# Altium PCB dcb_v2.PcbDoc (part 2 of 2)
Units mm, origin at the board's own origin, x right, y up, seen from the top; angles counter-clockwise.
Board outline 175 x 60 mm, 4 copper layers (Top Layer, Int1 (GND), Int2 (PWR), Bottom Layer), stack 1.369 mm thick; 165 components, 98 nets, 603 pads, 478 vias.
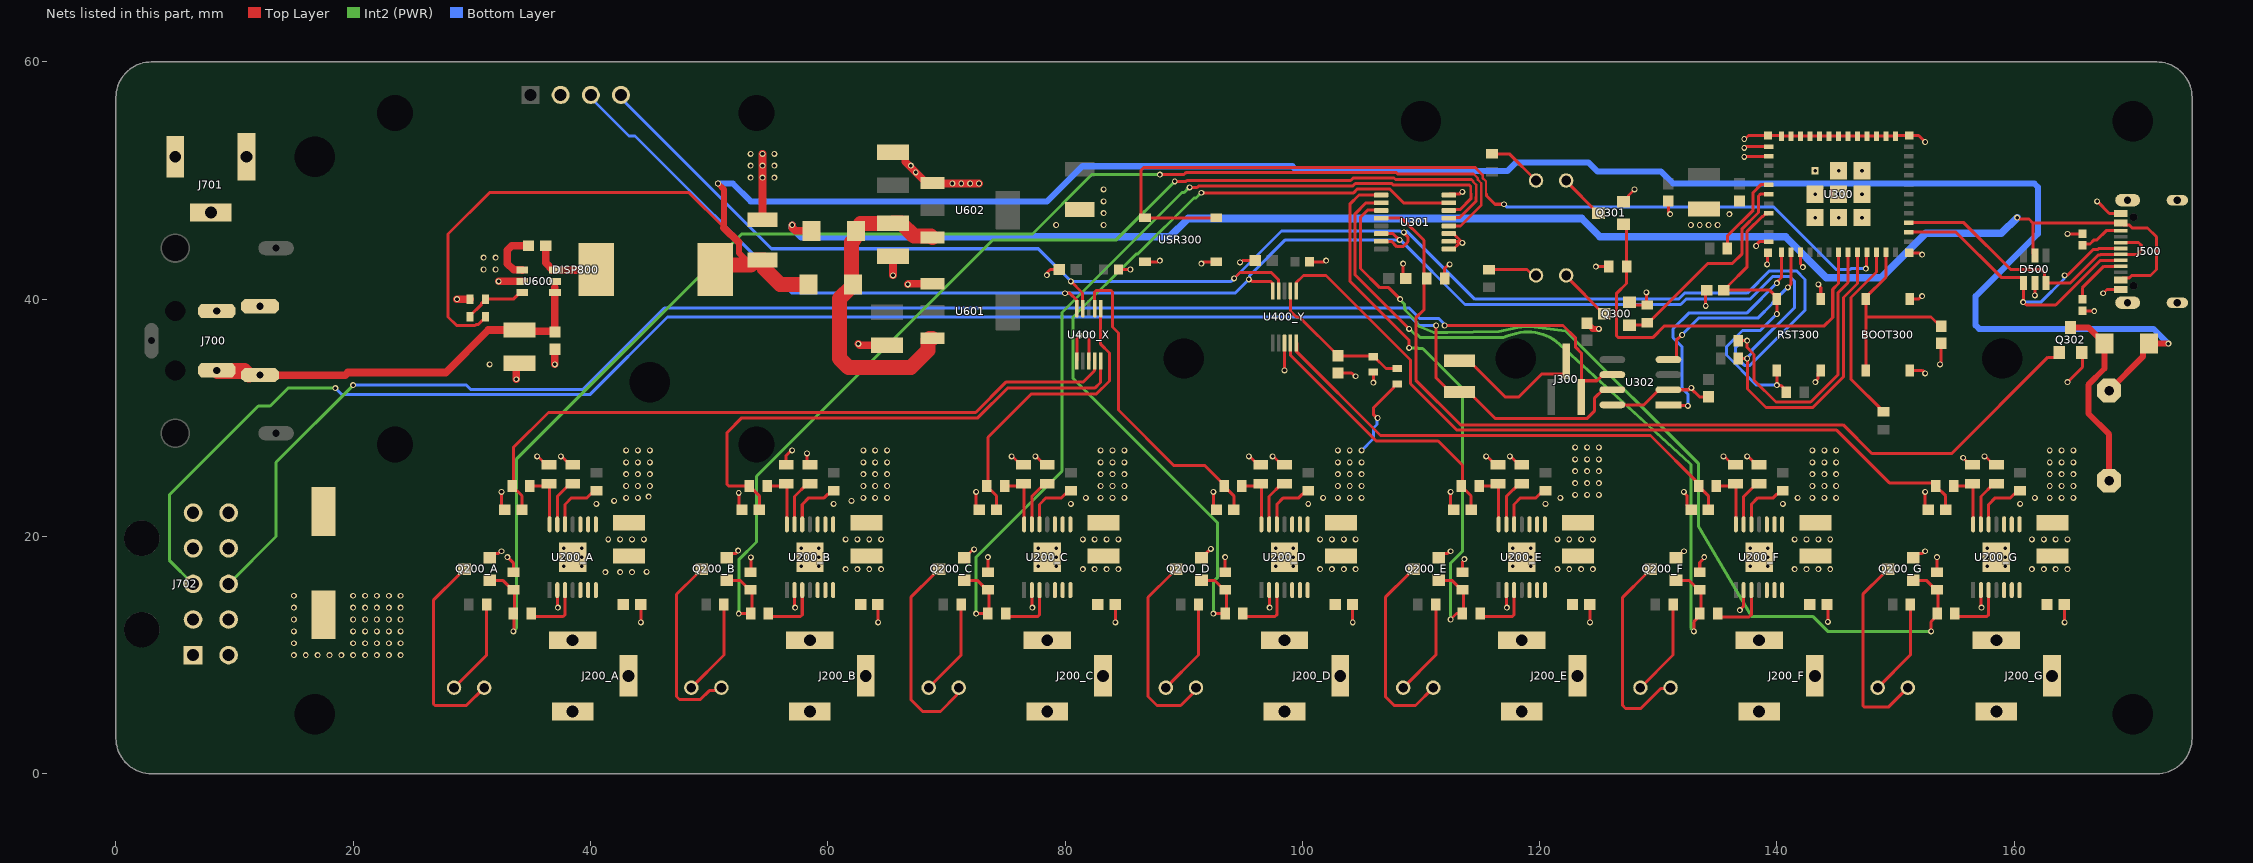
[diagram p4: the nets of this part, all layers, seen from the top]

## Via types
v1: diameter 0.5, hole 0.3, Top Layer to Bottom Layer, 478 vias

## Nets (pads, with @x,y where several pads share a name; then routed paths per layer and width w, separated by ;. In a path a pad name is that pad's centre, name@x,y a point inside that pad or via, vN(x,y) a via of type N, cw(c..) or ccw(c..) an arc to the next point about the centre after c; other vN are vias at no path point) (continued)
12V: C604.1 D300.K D601.A L600.2 R600.2 SP300.+ | length 206.2
  Top Layer w0.254: R600.2@31.15,38.5 31.15,38.486 30.51,37.846 30.358,37.846 30.285,37.773 28.727,37.773 28,38.5 28,45.5 31.5,49 48.289,49 51.25,46.039
  Top Layer w0.508: v1(50.75,49.75) 51.25,49.25 51.25,46.039 ; 52.5,44.789 52.5,43.896 C604.1@53.508,42.888 ; SP300.+@168,32.3 170.872,35.172 170.872,35.742 D300.K@171.38,36.25 v1(173,36.25)
  Top Layer w0.635: 51.25,46.039 52.5,44.789
  Top Layer w1.27: L600.2@50.5,42.5 50.888,42.888 53.508,42.888 53.92,43.3 C604.1@54.605,43.3 ; C604.1@54.615,43.29 54.615,42.605 55.97,41.25 D601.A@58.37,41.25
  Bottom Layer w0.508: v1(50.75,49.75) 52,49.75 53.5,48.25 78.5,48.25 81.454,51.204 99.169,51.204 99.577,50.796 117.292,50.796 117.996,51.5 124.14,51.5 124.89,50.75 130.25,50.75 131.25,49.75 161.702,49.75 162,49.452 162,45.5 156.75,40.25 156.75,37.798 157.048,37.5 171.75,37.5 v1(173,36.25)
BUZZ: Q302.1 R309.2 U301.12 | length 76.9
  Top Layer w0.254: U301.12@106.65,46.825 108.388,46.825 110.25,44.963 110.25,42.25 R309.2@110.625,41.875 ; R309.2@110.5,41.75 110.25,41.5 110.25,39.102 109.573,38.425 109.573,33.177 113.342,29.408 145.592,29.408 148,27 154.75,27 162.844,35.094 163.444,35.094 163.75,35.399 Q302.1@163.75,35.5
CAN_D: U300.12 U302.1 | length 21.8
  Top Layer w0.254: U302.1@130.864,31.095 130.912,31.047 132.453,31.047 v1(132.5,31) ; v1(140,41.354) 140,41.421 140.4,41.821 U300.12@140.4,43.95
  Bottom Layer w0.254: v1(132.5,31) 132.5,32.009 132.225,32.284 132.225,32.313 132,32.537 132,36 131.25,36.75 131.25,37.5 132.604,38.854 137.5,38.854 v1(140,41.354)
CAN_R: U300.13 U302.4 | length 16.6
  Top Layer w0.254: U302.4@130.864,34.905 131.379,34.905 131.53,35.057 131.53,36.53 131.98,36.98 v1(132.02,36.98) ; v1(140.927,41) 140.933,41 141.2,41.267 U300.13@141.2,43.95
  Bottom Layer w0.254: v1(132.02,36.98) 132.02,37.02 133.4,38.4 138.4,38.4 139.64,39.64 139.64,39.713 v1(140.927,41)
CANH: J702.3 R308.2 U302.7 | length 144.6
  Top Layer w0.254: v1(111.28,37.781) 111.28,37.053 111.25,37.023 111.25,33.4 112.475,32.175 R308.2@113.25,32.175 114.025,32.175 116.277,29.923 123.98,29.923 124.615,30.558 124.615,31.637 125.343,32.365 U302.7@126.136,32.365 ; R308.2@113.364,31.925 R308.2@113.525,31.925
  Int2 (PWR) w0.254: J702.3@6.5,16 4.5,18 4.5,23.5 12,31 13,31 14.5,32.5 v1(18.5,32.5)
  Bottom Layer w0.254: v1(18.5,32.5) 19.054,31.946 39.946,31.946 46.5,38.5 109.129,38.5 109.848,37.781 v1(111.28,37.781)
CANL: J300.3 J702.8 U302.6 | length 136.3
  Top Layer w0.254: v1(112,37.781) 121.969,37.781 123.04,36.71 123.04,35.939 123.52,35.459 J300.3@123.52,32.925 ; J300.3@123.52,31.75 J300.3@123.52,32.925 ; U302.6@126.136,33.635 125.343,33.635 124.831,33.123 123.718,33.123 J300.3@123.52,32.925
  Int2 (PWR) w0.254: J702.8@9.5,16 13.5,20 13.5,26.25 v1(20,32.75)
  Bottom Layer w0.254: v1(20,32.75) 29.545,32.75 29.894,32.4 39.372,32.4 46.222,39.25 109.021,39.25 109.913,38.358 111.519,38.358 111.857,38.02 111.857,37.99 112,37.848 v1(112,37.781)
EN: C304.1 R310.1 RST300.3 RST300.4 U300.8 | length 28.1
  Top Layer w0.254: C304.1@135.533,40.758 C304.1@135.556,40.758 ; U300.8@139.3,47.25 139.227,47.177 139.027,47.177 138.827,46.977 138.761,46.977 137.5,45.716 137.5,42.725 135.885,41.11 135.885,41.087 C304.1@135.556,40.758 ; RST300.4@140,34 v1(140,32.75) 140.047,32.703 140.36,32.703 140.81,32.253 R310.1@140.81,32.153 ; v1(140,38.75) RST300.3@140,40 140,40.15 139.392,40.758 C304.1@135.556,40.758
  Bottom Layer w0.254: v1(140,32.75) 138.292,32.75 135.75,35.292 135.75,36 137.101,37.351 138.601,37.351 v1(140,38.75)
GND: BOOT300.1 BOOT300.2 C100.2 C200_A.1 C200_B.1 C200_C.1 C200_D.1 C200_E.1 C200_F.1 C200_G.1 C201_A.2 C201_B.2 C201_C.2 C201_D.2 C201_E.2 C201_F.2 C201_G.2 C202_A.2 C202_B.2 C202_C.2 C202_D.2 C202_E.2 C202_F.2 C202_G.2 C300.2 C301.1 C302.2 C303.2 C304.2 C305.2 C306.2 C307.2 C400_X.2 C400_Y.2 C401_X.2 C401_Y.2 C600.1 C602.1 C603.1 C604.2 C605.1 C606.1 C607.2 C700.1 D500.2 DISP800.2 J200_A.2 J200_A.3 J200_B.2 J200_B.3 J200_C.2 J200_C.3 J200_D.2 J200_D.3 J200_E.2 J200_E.3 J200_F.2 J200_F.3 J200_G.2 J200_G.3 J500.A1_B12 J500.B1_A12 J500.SH1 J500.SH2 J500.SH3 J500.SH4 J700.1 J700.3 J701.2 J701.3 J702.1 J702.2 J702.4 J702.5 Q200_A.2 Q200_B.2 Q200_C.2 Q200_D.2 Q200_E.2 Q200_F.2 Q200_G.2 Q300.2 Q301.2 Q302.2 R101.1 R200_A.2 R200_B.2 R200_C.2 R200_D.2 R200_E.2 R200_F.2 R200_G.2 R203_A.1 R203_B.1 R203_C.1 R203_D.1 R203_E.1 R203_F.1 R203_G.1 R204_A.1 R204_B.1 R204_C.1 R204_D.1 R204_E.1 R204_F.1 R204_G.1 R306.1 R307.1 R309.1 R500.1 R501.1 R601.1 RST300.1 RST300.2 U200_A.2 U200_A.15 U200_B.2 U200_B.15 U200_C.2 U200_C.15 U200_D.2 U200_D.15 U200_E.2 U200_E.15 U200_F.2 U200_F.15 U200_G.2 U200_G.15 U300.1 U300.2 U300.11 U300.14 U300.36 U300.37 U300.38 U300.39 U300.40 U300.41 U300.42 U300.43 U300.44 U300.45 U300.46 U300.47 U300.48 U300.49_1 U300.49_2 U300.49_3 U300.49_4 U300.49_5 U300.49_6 U300.49_7 U300.49_8 U300.49_9 U300.50 U300.51 U300.52 U300.53 U301.1 U301.2 U301.3 U301.8 U302.2 U302.8 U400_X.1 U400_X.3 U400_Y.3 U600.2 U601.1 U602.1 USR300.3 USR300.4 | length 178.4
  Top Layer w0.254: Q200_A.2@31.5,18.215 31.856,18.571 32.254,18.571 32.433,18.75 v1(32.5,18.75) ; v1(32.5,23.75) 32.5,22.523 C202_A.2@32.773,22.25 ; v1(32.996,18.25) 33.031,18.25 33.5,17.781 R200_A.2@33.5,17 ; v1(35.5,26.75) 35.547,26.703 35.622,26.703 36.275,26.05 R204_A.1@36.5,26.05 ; U200_A.2@37.2,15.475 37.217,15.458 37.217,14.033 v1(37.25,14) ; v1(37.5,26.75) 37.547,26.703 37.622,26.703 38.275,26.05 R203_A.1@38.5,26.05 ; C201_A.2@44.227,14.25 44.25,14.227 v1(44.25,12.75) ; Q200_B.2@51.5,18.215 51.856,18.571 52.254,18.571 52.448,18.765 v1(52.448,18.802) ; v1(52.5,23.673) 52.5,22.523 C202_B.2@52.773,22.25 ; R200_B.2@53.5,17 53.514,17.014 v1(53.514,18.236) ; R204_B.1@56.5,26.05 56.5,26.831 56.872,27.203 56.953,27.203 v1(57,27.25) ; U200_B.2@57.2,15.475 57.217,15.458 57.217,14.033 v1(57.25,14) ; v1(58.25,27) 58.25,26.3 R203_B.1@58.5,26.05 ; C201_B.2@64.227,14.25 64.25,14.227 v1(64.25,12.75) ; Q200_C.2@71.5,18.215 71.551,18.215 72.197,18.861 72.295,18.861 v1(72.342,18.908) ; v1(72.5,23.75) 72.5,22.523 C202_C.2@72.773,22.25 ; R200_C.2@73.5,17 v1(73.5,18.25) ; v1(75.5,26.75) 75.547,26.703 75.622,26.703 76.275,26.05 R204_C.1@76.5,26.05 ; U200_C.2@77.2,15.475 77.217,15.458 77.217,14.033 v1(77.25,14) ; v1(77.5,26.75) 77.547,26.703 77.622,26.703 78.275,26.05 R203_C.1@78.5,26.05 ; v1(78.466,42.034) 78.513,42.081 78.513,42.255 78.757,42.5 C401_X.2@79.5,42.5 ; U400_X.1@81,34.849 81,36.679 v1(81.254,36.933) ; U400_X.3@82,34.849 v1(82,37) ; C201_C.2@84.227,14.25 84.25,14.227 v1(84.25,12.75) ; C400_X.2@84.5,42.5 v1(85.504,42.5) ; USR300.3@86.75,43.15 87.833,43.15 87.933,43.25 v1(88,43.25) ; Q200_D.2@91.5,18.215 91.551,18.215 v1(92.287,18.952) ; v1(91.5,43) 91.567,43 91.717,43.15 USR300.4@92.75,43.15 ; v1(92.5,23.75) 92.5,22.523 C202_D.2@92.773,22.25 ; R200_D.2@93.5,17 v1(93.5,18.25) ; v1(94.75,43.099) 94.817,43.099 94.967,43.25 C401_Y.2@96.023,43.25 ; v1(95.5,26.75) 95.547,26.703 95.622,26.703 96.275,26.05 R204_D.1@96.5,26.05 ; U200_D.2@97.2,15.475 97.217,15.458 97.217,14.033 v1(97.25,14) ; v1(97.5,26.75) 97.547,26.703 97.622,26.703 98.275,26.05 R203_D.1@98.5,26.05 ; v1(98.5,34) U400_Y.3@98.5,36.349 ; C400_Y.2@100.627,43.151 101.83,43.151 101.933,43.254 v1(102,43.254) ; C100.2@103,33.773 104.16,33.773 104.433,33.5 v1(104.5,33.5) ; C201_D.2@104.227,14.25 104.25,14.227 v1(104.25,12.75) ; v1(105.995,32.967) 105.995,33.845 R101.1@106,33.85 ; v1(108.5,43) 108.5,41.977 C302.2@108.727,41.75 ; C302.2@108.75,41.75 C302.2@108.727,41.75 ; C302.2@108.975,41.998 C302.2@108.727,41.75 ; Q200_E.2@111.5,18.215 111.856,18.571 112.254,18.571 112.433,18.75 v1(112.5,18.75) ; R309.1@112,41.75 112,42.601 112.149,42.75 112.183,42.75 112.358,42.925 v1(112.425,42.925) ; U301.1@112.35,44.225 112.75,44.225 113.228,44.703 113.453,44.703 v1(113.5,44.75) 113.5,44.775 112.75,45.525 U301.3@112.35,45.525 ; U301.2@112.35,44.875 v1@113.308,44.875 ; U301.8@112.35,48.775 112.423,48.848 113.231,48.848 113.433,49.05 v1(113.5,49.05) ; v1(112.5,23.75) 112.5,22.523 C202_E.2@112.773,22.25 ; R200_E.2@113.5,17 113.5,17.867 113.658,18.025 v1(113.658,18.092) ; v1(115.5,26.75) 115.547,26.703 115.622,26.703 116.275,26.05 R204_E.1@116.5,26.05 ; U200_E.2@117.2,15.475 117.217,15.458 117.217,14.033 v1(117.25,14) ; v1(117.5,26.75) 117.547,26.703 117.622,26.703 118.275,26.05 R203_E.1@118.5,26.05 ; C201_E.2@124.227,14.25 124.25,14.227 v1(124.25,12.75) ; v1(124.75,42.746) 125.817,42.746 R307.1@125.829,42.758 ; U302.8@126.136,31.095 128.8,31.095 130.07,32.365 U302.2@130.864,32.365 132.577,32.365 132.735,32.523 v1(132.802,32.523) ; Q301.2@127.079,48.223 127.13,48.223 127.486,48.579 127.486,48.736 v1(128,49.25) ; Q300.2@127.579,39.723 127.795,39.508 R306.1@129.079,39.508 129,39.587 v1(129,40.573) ; C300.2@130.85,48.273 130.85,47.39 131,47.24 v1(131,47.173) ; Q200_F.2@131.5,18.215 131.551,18.215 132.038,18.703 132.125,18.703 v1(132.172,18.75) ; v1(132.169,23.75) 132.169,23.683 132.421,23.431 132.421,22.579 132.75,22.25 C202_F.2@132.773,22.25 ; v1@132.75,32.5 133.477,31.773 C307.2@134.25,31.773 ; R200_F.2@133.5,17 133.5,17.802 133.881,18.183 v1(133.881,18.25) ; v1(134.006,39.431) 134.006,40.684 C304.2@134.079,40.758 ; v1(135.5,26.75) 135.547,26.703 135.622,26.703 136.275,26.05 R204_F.1@136.5,26.05 ; C305.2@136.85,48.25 C305.2@136.85,48.273 ; v1(136.886,13.785) 136.886,13.826 137.2,14.14 U200_F.2@137.2,15.475 ; v1(137.25,52) 137.275,52.025 139.275,52.025 U300.2@139.3,52.05 ; v1(137.25,52.75) 137.297,52.797 137.372,52.797 137.425,52.85 U300.1@139.3,52.85 ; v1(137.25,53.5) 137.317,53.5 137.617,53.8 U300.53@139.25,53.8 140.35,53.8 U300.48@140.4,53.75 U300.47@141.2,53.75 U300.46@142,53.75 U300.45@142.8,53.75 U300.44@143.6,53.75 U300.43@144.4,53.75 U300.42@145.2,53.75 U300.41@146,53.75 U300.40@146.8,53.75 U300.39@147.6,53.75 U300.38@148.4,53.75 U300.37@149.2,53.75 U300.36@150,53.75 150.05,53.8 U300.50@151.15,53.8 151.95,53.8 v1(152.5,53.25) ; v1(137.5,26.75) 137.547,26.703 137.622,26.703 138.275,26.05 R203_F.1@138.5,26.05 ; v1(138.254,44.483) 138.301,44.53 138.301,44.632 138.519,44.85 U300.11@139.3,44.85 ; v1(139.183,42.925) 139.216,42.959 139.216,43.866 U300.52@139.25,43.9 ; U300.14@142,43.95 142,42.959 142.198,42.761 v1(142.198,42.694) ; v1(143.25,33) 143.25,33.067 143.477,33.294 143.477,33.777 RST300.2@143.7,34 ; v1(143.5,41.25) 143.5,41.183 143.7,40.983 RST300.1@143.7,40 ; C201_F.2@144.227,14.25 144.302,14.175 v1(144.302,12.802) ; U300.51@151.15,43.9 152.033,43.9 152.183,43.75 v1(152.25,43.75) ; BOOT300.2@151.2,34 152.25,34 v1(152.5,33.75) ; BOOT300.1@151.2,40 151.933,40 152.183,40.25 v1(152.25,40.25) ; Q200_G.2@151.5,18.215 151.856,18.571 152.254,18.571 152.433,18.75 v1(152.5,18.75) ; v1(152.5,23.75) 152.5,22.523 C202_G.2@152.773,22.25 ; R200_G.2@153.5,17 v1(153.5,18.25) ; v1(153.75,34.5) 153.75,34.567 153.85,34.667 C303.2@153.85,36.273 ; v1(155.694,26.631) 156.275,26.05 R204_G.1@156.5,26.05 ; U200_G.2@157.2,15.475 157.217,15.458 157.217,14.033 v1(157.25,14) ; v1(157.5,26.75) 157.547,26.703 157.622,26.703 158.275,26.05 R203_G.1@158.5,26.05 ; v1(161.75,40.327) D500.2@161.75,41.371 ; C201_G.2@164.227,14.25 164.25,14.227 v1(164.25,12.75) ; v1(164.5,33) 165.767,34.267 165.767,34.477 165.75,34.494 Q302.2@165.75,35.25 ; v1(164.5,45.496) 164.502,45.498 165.748,45.498 R501.1@165.75,45.5 ; R500.1@165.75,39.043 165.771,39.021 166.729,39.021 v1(166.75,39) ; v1(167,48.25) 168.029,47.221 J500.B1_A12@169,47.221 ; v1(167.5,40.5) 167.821,40.821 J500.A1_B12@169,40.821
  Top Layer w0.508: C306.2@124,37.977 124,37.954 124.202,37.752 124.225,37.752 124.477,37.5 v1(125,37.5)
  Top Layer w0.635: v1(28.75,40) R601.1@29.85,40 ; v1(32.25,41.5) U600.2@34.25,41.5 ; v1(33.75,33.25) 33.75,34.35 C602.1@34,34.6 ; v1(37,34.5) C600.1@37,35.773 ; C604.2@54.5,46.7 v1(54.5,52.25) ; v1(62.579,36.238) 62.717,36.1 C603.1@65,36.1 ; v1(65.5,42) C606.1@65.5,43.6 ; C605.1@65.5,52.4 66.2,52.4 66.533,52.067 66.533,51.567 68.3,49.8 U602.1@68.825,49.8 68.875,49.75 v1(71.25,49.75) v1(72.75,49.75) ; v1(66.75,41.25) 66.8,41.3 U601.1@68.825,41.3
  other v1: 41.25,17 42.5,17 43.5,17 44.731,17.019 61.5,17.25 62.5,17.25 63.5,17.25 64.5,17.25 81.5,17.25 82.5,17.25 83.5,17.25 84.5,17.25 101.5,17.25 102.5,17.25 103.5,17.25 104.5,17.25 121.5,17.25 122.5,17.25 123.5,17.25 124.5,17.25 141.5,17.25 142.5,17.25 143.5,17.25 144.5,17.25 161.5,17.25 162.5,17.25 163.5,17.25 164.5,17.25 37.75,17.5 39.25,17.5 57.75,17.5 59.25,17.5 77.75,17.5 79.25,17.5 97.75,17.5 99.25,17.5 117.75,17.5 119.25,17.5 137.75,17.5 139.25,17.5 157.75,17.5 159.25,17.5 37.75,18.25 38.5,18.25 39.25,18.25 57.75,18.25 58.5,18.25 59.25,18.25 77.75,18.25 78.5,18.25 79.25,18.25 97.75,18.25 98.5,18.25 99.25,18.25 117.75,18.25 118.5,18.25 119.25,18.25 137.75,18.25 138.5,18.25 139.25,18.25 157.75,18.25 158.5,18.25 159.25,18.25 37.75,19 39.25,19 57.75,19 59.25,19 77.75,19 79.25,19 97.75,19 99.25,19 117.75,19 119.25,19 137.75,19 139.25,19 157.75,19 159.25,19 41.5,19.75 42.5,19.75 43.5,19.75 44.5,19.75 61.5,19.75 62.5,19.75 63.5,19.75 64.5,19.75 81.5,19.75 82.5,19.75 83.5,19.75 84.5,19.75 101.5,19.75 102.5,19.75 103.5,19.75 104.5,19.75 121.5,19.75 122.5,19.75 123.5,19.75 124.5,19.75 141.5,19.75 142.5,19.75 143.5,19.75 144.5,19.75 161.5,19.75 162.5,19.75 163.5,19.75 164.5,19.75 31.5,34.5 31,42.5 32,42.5 31,43.5 32,43.5 79.25,46.25 83.25,46.25 132.75,46.25 133.5,46.25 134.25,46.25 135,46.25 143.225,46.875 145.2,46.875 147.175,46.875 136,47.173 83.25,47.25 83.25,48.25 143.225,48.85 145.2,48.85 147.175,48.85 83.25,49.25 70.5,49.75 72,49.75 53.5,50.25 54.5,50.25 55.5,50.25 67.416,50.684 143.225,50.825 145.2,50.825 147.175,50.825 53.5,51.25 54.5,51.25 55.5,51.25 67,51.25 53.5,52.25 55.5,52.25
IO2: R303.1 U300.5 | length 7.2
  Top Layer w0.254: R303.1@135.829,44.258 135.829,45.329 138,47.5 138,49 138.65,49.65 U300.5@139.3,49.65
LED1: Q300.1 R306.2 U300.6 | length 18.3
  Top Layer w0.254: Q300.1@127.579,37.808 128.879,37.808 R306.2@129.079,38.008 129.179,38.008 134.171,43 136.25,43 137.046,43.796 137.046,45.904 138.454,47.312 138.454,48.701 138.603,48.85 U300.6@139.3,48.85
LED2: Q301.1 R307.2 U300.18 | length 34.5
  Top Layer w0.254: Q301.1@127.079,46.308 127.329,46.058 R307.2@127.329,42.758 127.329,41.329 126.5,40.5 126.5,36.899 126.649,36.75 129.537,36.75 130.537,37.75 144,37.75 144.711,38.461 144.711,40.824 145.2,41.313 U300.18@145.2,43.95
NetBOOT300_3: BOOT300.3 BOOT300.4 C303.1 U300.23 | length 17.4
  Top Layer w0.254: BOOT300.4@147.5,34 147.5,38.5 ; U300.23@149.2,43.95 149.2,41.85 147.5,40.15 BOOT300.3@147.5,40 147.5,38.5 ; C303.1@153.85,37.727 153.85,37.65 153,38.5 147.5,38.5
NetC202_A_1: C202_A.1 R205_A.2 U400_X.4 | length 58.1
  Top Layer w0.254: C202_A.1@34.227,22.25 34.227,23.423 33.5,24.15 33.5,24.25 33.5,27.5 36.454,30.454 72.465,30.454 75.011,33 81.511,33 82.482,33.971 U400_X.4@82.482,34.831
NetC202_B_1: C202_B.1 R205_B.2 U400_X.5 | length 43.7
  Top Layer w0.254: R205_B.2@53.4,24.25 51.649,24.25 51.5,24.399 51.5,28.75 52.75,30 72.653,30 75.153,32.5 82.5,32.5 82.982,32.982 82.982,34.831 U400_X.5@83,34.849 ; R205_B.2@53.5,24.25 53.5,24.15 54.227,23.423 C202_B.1@54.227,22.25
NetC202_C_1: C202_C.1 R205_C.2 U400_X.6 | length 25
  Top Layer w0.254: C202_C.1@74.227,22.25 74.227,23.423 73.5,24.15 73.5,24.25 73.5,28.351 77.149,32 82.642,32 83.75,33.108 83.75,35.459 83,36.209 U400_X.6@83,39.151
NetC202_D_1: C202_D.1 R205_D.2 U400_X.7 | length 27.1
  Top Layer w0.254: U400_X.7@82.5,39.151 82.5,40.601 82.649,40.75 83.851,40.75 84,40.601 84,37.651 84.5,37.151 84.5,30.651 89.151,26 91.75,26 R205_D.2@93.5,24.25 ; R205_D.2@93.5,24.15 94.227,23.423 C202_D.1@94.227,22.25
NetC202_E_1: C202_E.1 R205_E.2 U400_Y.4 | length 23.5
  Top Layer w0.254: U400_Y.4@99,36.349 99.023,36.326 99.023,35.611 99.023,35.245 106.222,28.046 111.454,28.046 113.5,26 113.5,24.25 113.5,24.15 114.227,23.423 C202_E.1@114.227,22.25
NetC202_F_1: C202_F.1 R205_F.2 U400_Y.5 | length 41.8
  Top Layer w0.254: U400_Y.5@99.5,36.349 99.531,36.318 99.531,35.565 106.596,28.5 129.35,28.5 133.5,24.35 133.5,24.15 134.227,23.423 C202_F.1@134.227,22.25
NetC202_G_1: C202_G.1 R205_G.2 U400_Y.6 | length 65.9
  Top Layer w0.254: U400_Y.6@99.5,40.651 99.5,41.404 100.096,42 102,42 109.119,34.881 109.119,32.881 113.046,28.954 145.046,28.954 149.477,24.523 153.327,24.523 153.5,24.35 153.5,24.25 153.5,24.15 154.227,23.423 C202_G.1@154.227,22.25
NetC601_1: C601.1 U600.1 | length 4.5
  Top Layer w0.635: U600.1@34.25,42.45 34.233,42.467 33.532,42.467 33,43 33,44.128 33.372,44.5 C601.1@34.773,44.5
NetC601_2: C601.2 L600.1 U600.6 | length 6
  Top Layer w0.635: C601.2@36.227,44.5 36.227,43.058 36.835,42.45 U600.6@37,42.45 40.45,42.45 L600.1@40.5,42.5
NetC606_2: C606.2 D600.K D601.K U601.3 U602.3 | length 27.6
  Top Layer w1.27: D600.K@62.38,45.75 62.253,45.623 62.253,45.055 62,44.803 62,42.082 62.003,42.079 62.003,41.047 61,40.044 61,34.994 61.744,34.25 67,34.25 68.435,35.685 68.435,36.565 68.57,36.7 U601.3@68.825,36.7 ; D600.K@62.765,46.385 65.485,46.385 C606.2@65.5,46.4 66.2,46.4 67.265,45.335 68.69,45.335 U602.3@68.825,45.2
NetD300_A: D300.A Q302.3 SP300.- | length 16.3
  Top Layer w0.508: Q302.3@164.75,37.618 166.253,37.618 D300.A@167.62,36.25 167.62,34.155 166.25,32.784 166.25,30.359 168,28.609 SP300.-@168,24.7
NetJ300_2: J300.2 R308.1 | length 12
  Top Layer w0.254: R308.1@113.25,34.825 114.025,34.825 117.1,31.75 118.25,31.75 120.202,33.702 122.052,33.702 122.25,33.9 J300.2@122.25,34.75
NetJ500_A5: J500.A5 R500.2 | length 5
  Top Layer w0.254: R500.2@165.75,40 165.75,40.961 167.56,42.771 J500.A5@169,42.771
NetJ500_B5: J500.B5 R501.2 | length 3.8
  Top Layer w0.254: R501.2@165.75,44.543 165.86,44.652 166.402,44.652 166.75,45 166.986,45 167.757,45.771 J500.B5@169,45.771
NetLED200_A_A: LED200_A.A R206_A.1 | length 8.1
  Top Layer w0.254: LED200_A.A@28.5,7.25 31.25,10 R206_A.1@31.25,14.25
NetLED200_A_C: LED200_A.C Q200_A.3 | length 17.4
  Top Layer w0.254: Q200_A.3@29.382,17.25 29.332,17.25 28.976,16.894 28.976,16.844 26.75,14.618 26.75,5.899 26.899,5.75 29.54,5.75 LED200_A.C@31.04,7.25
NetLED200_B_A: LED200_B.A R206_B.1 | length 8.1
  Top Layer w0.254: LED200_B.A@48.5,7.25 51.25,10 R206_B.1@51.25,14.25
NetLED200_B_C: LED200_B.C Q200_B.3 | length 15.7
  Top Layer w0.254: Q200_B.3@49.382,17.25 49.332,17.25 48.976,16.894 48.976,16.844 47.25,15.118 47.25,6.5 47.5,6.25 49.264,6.25 50.014,7 50.409,7 50.474,7.065 50.725,7.065 LED200_B.C@50.79,7
NetLED200_C_A: LED200_C.A R206_C.1 | length 7.8
  Top Layer w0.254: LED200_C.A@68.75,7.5 71.25,10 R206_C.1@71.25,14.25
NetLED200_C_C: LED200_C.C Q200_C.3 | length 17.3
  Top Layer w0.254: Q200_C.3@69.382,17.25 69.332,17.25 68.976,16.894 68.976,16.844 67,14.868 67,6.25 68,5.25 69.5,5.25 70.855,6.605 LED200_C.C@70.855,7.065
NetLED200_D_A: LED200_D.A R206_D.1 | length 8.1
  Top Layer w0.254: LED200_D.A@88.5,7.25 91.25,10 R206_D.1@91.25,14.25
NetLED200_D_C: LED200_D.C Q200_D.3 | length 16.9
  Top Layer w0.254: Q200_D.3@89.382,17.25 89.332,17.25 88.976,16.894 88.976,16.844 87,14.868 87,6.5 87.75,5.75 89.75,5.75 91.04,7.04 LED200_D.C@91.04,7.25
NetLED200_E_A: LED200_E.A R206_E.1 | length 8.1
  Top Layer w0.254: LED200_E.A@108.5,7.25 111.25,10 R206_E.1@111.25,14.25
NetLED200_E_C: LED200_E.C Q200_E.3 | length 16.7
  Top Layer w0.254: Q200_E.3@109.382,17.25 109.332,17.25 108.976,16.894 108.976,16.844 107,14.868 107,6.5 107.75,5.75 109.54,5.75 LED200_E.C@111.04,7.25
NetLED200_F_A: LED200_F.A R206_F.1 | length 8.1
  Top Layer w0.254: LED200_F.A@128.5,7.25 131.25,10 R206_F.1@131.25,14.25
NetLED200_F_C: LED200_F.C Q200_F.3 | length 17.4
  Top Layer w0.254: Q200_F.3@129.382,17.25 129.332,17.25 128.976,16.894 128.976,16.844 127,14.868 127,5.75 127.25,5.5 128.536,5.5 130.216,7.181 130.971,7.181 LED200_F.C@131.04,7.25
NetLED200_G_A: LED200_G.A R206_G.1 | length 8.1
  Top Layer w0.254: LED200_G.A@148.5,7.25 151.25,10 R206_G.1@151.25,14.25
NetLED200_G_C: LED200_G.C Q200_G.3 | length 16.9
  Top Layer w0.254: Q200_G.3@149.382,17.25 149.332,17.25 148.976,16.894 148.976,16.844 147.25,15.118 147.25,5.759 147.399,5.61 149.4,5.61 LED200_G.C@151.04,7.25
NetLED300_A: LED300.A R304.1 | length 4.2
  Top Layer w0.254: R304.1@115.75,42.5 118.939,42.5 119.439,42 LED300.A@119.7,42
NetLED300_C: LED300.C Q300.3 | length 4.6
  Top Layer w0.254: LED300.C@122.24,42 122.24,41.929 125.411,38.758 Q300.3@125.462,38.758
NetLED301_A: LED301.A R305.1 | length 4.6
  Top Layer w0.254: R305.1@116,52.25 117.45,52.25 LED301.A@119.7,50
NetLED301_C: LED301.C Q301.3 | length 3.9
  Top Layer w0.254: LED301.C@122.24,50 122.24,49.929 124.911,47.258 Q301.3@124.962,47.258
NetQ200_A_1: Q200_A.1 R200_A.1 R201_A.1 U301.4 | length 117.6
  Top Layer w0.2: 114.449,50.545 114.8,50.194 114.8,50.06 115.085,49.775 115.085,47.929 115.012,47.856
  Top Layer w0.254: Q200_A.1@31.5,16.3 32.6,16.3 33.4,15.5 R200_A.1@33.5,15.5 33.6,15.4 33.6,13.5 33.547,13.447 33.547,12.047 v1(33.5,12) ; v1(88,50.5) 88.004,50.504 90.022,50.504 90.182,50.664 107.92,50.664 108.04,50.545 114.449,50.545 ; U301.4@112.35,46.175 113.331,46.175 115.012,47.856
  Int2 (PWR) w0.254: v1(33.5,12) 33.5,12.022 33.75,12.272 33.75,26.5 52.75,45.5 77.25,45.5 82.25,50.5 v1(88,50.5)
NetQ200_B_1: Q200_B.1 R200_B.1 R201_B.1 U301.5 | length 93.3
  Top Layer w0.2: 114.259,50.091 114.4,49.95 114.4,49.894 114.658,49.636 114.658,48.631
  Top Layer w0.254: Q200_B.1@51.5,16.3 52.6,16.3 53.4,15.5 R200_B.1@53.5,15.5 53.6,15.4 53.6,13.5 v1(52.5,13.5) ; v1(89.25,49.927) 90.188,49.927 90.261,50 104.074,50 104.284,50.21 107.732,50.21 107.852,50.091 114.259,50.091 ; U301.5@112.35,46.825 112.423,46.898 113.29,46.898 114.658,48.266 114.658,48.631
  Int2 (PWR) w0.254: v1(52.5,13.5) 52.5,18.037 54,19.537 54,25.066 73.934,45 84.323,45 v1(89.25,49.927)
NetQ200_C_1: Q200_C.1 R200_C.1 R201_C.1 U301.6 | length 76.2
  Top Layer w0.2: 114.134,49.557 114.172,49.557 114.204,49.525 114.204,48.895
  Top Layer w0.254: Q200_C.1@71.5,16.3 72.6,16.3 73.4,15.5 R200_C.1@73.5,15.5 73.6,15.4 73.6,13.5 v1(72.5,13.5) ; v1(90.5,49.423) 91.138,49.423 91.261,49.546 104.262,49.546 104.472,49.756 107.544,49.756 107.664,49.637 114.054,49.637 114.134,49.557 ; U301.6@112.35,47.475 112.423,47.548 113.298,47.548 114.204,48.454 114.204,48.895
  Int2 (PWR) w0.254: v1(72.5,13.5) 72.5,18.25 79.75,25.5 79.75,38.877 89.862,48.989 90.042,48.989 90.476,49.423 v1(90.5,49.423)
NetQ200_D_1: Q200_D.1 R200_D.1 R201_D.1 U301.7 | length 72.3
  Top Layer w0.254: Q200_D.1@91.5,16.3 92.6,16.3 93.4,15.5 R200_D.1@93.5,15.5 93.6,15.4 93.6,13.5 v1(92.5,13.5) ; v1(91.5,48.969) 104.327,48.969 104.66,49.302 107.356,49.302 108.533,48.125 U301.7@112.35,48.125
  Int2 (PWR) w0.254: v1(91.5,48.969) 91.476,48.969 91.042,48.535 90.862,48.535 86.138,43.811 85.999,43.811 80.677,38.489 80.677,33.323 92.864,21.136 92.864,16.561 92.5,16.196 v1(92.5,13.5)
NetQ200_E_1: Q200_E.1 R200_E.1 R201_E.1 U301.9 | length 48.6
  Top Layer w0.254: U301.9@106.65,48.775 104.775,48.775 104,48 104,41.537 108.996,36.541 v1(108.996,35.896) ; Q200_E.1@111.5,16.3 112.6,16.3 113.4,15.5 R200_E.1@113.5,15.5 113.6,15.4 113.6,13.5 R201_E.1@113.5,13.5 113,13.5 v1(112.5,13)
  Int2 (PWR) w0.254: v1(108.996,35.896) 109.707,35.896 109.754,35.849 110.151,35.849 113.5,32.5 113.5,18.75 112.5,17.75 v1(112.5,13)
NetQ200_F_1: Q200_F.1 R200_F.1 R201_F.1 U301.10 | length 62.8
  Top Layer w0.254: U301.10@106.65,48.125 105.375,48.125 104.454,47.204 104.454,42.042 v1(108.996,37.5) ; Q200_F.1@131.5,16.3 132.6,16.3 133.4,15.5 R200_F.1@133.5,15.5 133.6,15.4 133.6,13.4 133,12.8 v1(133,12)
  Int2 (PWR) w0.254: v1(108.996,37.5) 109.032,37.5 109.46,37.072 109.64,37.072 109.887,36.824 109.961,36.75 116.897,36.75 116.94,36.766 117.284,36.896 cw(c118,35) 117.542,36.975 117.726,37.017 cw(c119.023,33.288) 121.69,36.2 132.67,26.145 132.752,26.062 132.752,12.272 133,12.024 v1(133,12)
NetQ200_G_1: Q200_G.1 R200_G.1 R201_G.1 U301.11 | length 77.9
  Top Layer w0.254: U301.11@106.65,47.475 106.625,47.5 105.5,47.5 104.908,46.908 104.908,42.592 106.533,40.967 107.283,40.967 v1(108.25,40) ; Q200_G.1@151.5,16.3 152.6,16.3 153.4,15.5 R200_G.1@153.5,15.5 153.6,15.4 153.6,13.4 153,12.8 v1(153,12)
  Int2 (PWR) w0.254: v1(108.25,40) 108.25,39.933 108.63,39.554 108.63,39.308 108.659,39.278 108.659,39.091 109.669,38.081 109.669,37.969 109.669,37.864 109.818,37.715 111.041,37.204 112.239,37.204 116.589,37.277 118.124,37.598 cw(c119.023,33.288) 119.561,37.657 122.204,37.335 122.278,37.261 133.377,26.162 133.377,20.871 137.86,13.27 143.017,13.27 144.287,12 v1(153,12)
NetR201_A_2: R201_A.2 U200_A.3 | length 5.2
  Top Layer w0.254: R201_A.2@34.9,13.5 34.9,13.423 35.073,13.25 37.701,13.25 37.85,13.399 U200_A.3@37.85,15.475
NetR201_B_2: R201_B.2 U200_B.3 | length 5.2
  Top Layer w0.254: R201_B.2@54.9,13.5 54.9,13.423 55.073,13.25 57.701,13.25 57.85,13.399 U200_B.3@57.85,15.475
NetR201_C_2: R201_C.2 U200_C.3 | length 5.2
  Top Layer w0.254: R201_C.2@74.9,13.5 74.9,13.423 75.073,13.25 77.701,13.25 77.85,13.399 U200_C.3@77.85,15.475
NetR201_D_2: R201_D.2 U200_D.3 | length 5.2
  Top Layer w0.254: R201_D.2@94.9,13.5 94.9,13.423 95.073,13.25 97.701,13.25 97.85,13.399 U200_D.3@97.85,15.475
NetR201_E_2: R201_E.2 U200_E.3 | length 5.2
  Top Layer w0.254: R201_E.2@114.9,13.5 114.9,13.423 115.073,13.25 117.701,13.25 117.85,13.399 U200_E.3@117.85,15.475
NetR201_F_2: R201_F.2 U200_F.3 | length 5.2
  Top Layer w0.254: R201_F.2@134.9,13.423 135.115,13.208 137.66,13.208 137.85,13.399 U200_F.3@137.85,15.475
NetR201_G_2: R201_G.2 U200_G.3 | length 5.2
  Top Layer w0.254: R201_G.2@154.9,13.5 154.9,13.423 155.073,13.25 157.701,13.25 157.85,13.399 U200_G.3@157.85,15.475
NetR202_A_2: R202_A.2 U200_A.12 | length 4.8
  Top Layer w0.254: U200_A.12@37.85,21.025 37.85,22.701 38.399,23.25 39.7,23.25 40.4,23.95 R202_A.2@40.5,23.95
NetR202_B_2: R202_B.2 U200_B.12 | length 4.8
  Top Layer w0.254: U200_B.12@57.85,21.025 57.85,22.701 58.399,23.25 59.7,23.25 60.4,23.95 R202_B.2@60.5,23.95
NetR202_C_2: R202_C.2 U200_C.12 | length 4.8
  Top Layer w0.254: U200_C.12@77.85,21.025 77.85,22.701 78.399,23.25 79.7,23.25 80.4,23.95 R202_C.2@80.5,23.95
NetR202_D_2: R202_D.2 U200_D.12 | length 4.8
  Top Layer w0.254: U200_D.12@97.85,21.025 97.85,22.701 98.399,23.25 99.7,23.25 100.4,23.95 R202_D.2@100.5,23.95
NetR202_E_2: R202_E.2 U200_E.12 | length 4.8
  Top Layer w0.254: U200_E.12@117.85,21.025 117.85,22.701 118.399,23.25 119.7,23.25 120.4,23.95 R202_E.2@120.5,23.95
NetR202_F_2: R202_F.2 U200_F.12 | length 4.8
  Top Layer w0.254: U200_F.12@137.85,21.025 137.85,22.701 138.399,23.25 139.7,23.25 140.4,23.95 R202_F.2@140.5,23.95
NetR202_G_2: R202_G.2 U200_G.12 | length 4.8
  Top Layer w0.254: U200_G.12@157.85,21.025 157.85,22.701 158.399,23.25 159.7,23.25 160.4,23.95 R202_G.2@160.5,23.95
NetR203_A_2: R203_A.2 U200_A.13 | length 4.1
  Top Layer w0.254: U200_A.13@37.2,21.025 37.2,23.375 38.275,24.45 R203_A.2@38.5,24.45
NetR203_B_2: R203_B.2 U200_B.13 | length 4.1
  Top Layer w0.254: U200_B.13@57.2,21.025 57.2,23.375 58.275,24.45 R203_B.2@58.5,24.45
NetR203_C_2: R203_C.2 U200_C.13 | length 4.1
  Top Layer w0.254: U200_C.13@77.2,21.025 77.2,23.375 78.275,24.45 R203_C.2@78.5,24.45
NetR203_D_2: R203_D.2 U200_D.13 | length 4.1
  Top Layer w0.254: U200_D.13@97.2,21.025 97.2,23.375 98.275,24.45 R203_D.2@98.5,24.45
NetR203_E_2: R203_E.2 U200_E.13 | length 4.1
  Top Layer w0.254: U200_E.13@117.2,21.025 117.2,23.375 118.275,24.45 R203_E.2@118.5,24.45
NetR203_F_2: R203_F.2 U200_F.13 | length 4.1
  Top Layer w0.254: U200_F.13@137.2,21.025 137.2,23.375 138.275,24.45 R203_F.2@138.5,24.45
NetR203_G_2: R203_G.2 U200_G.13 | length 4.1
  Top Layer w0.254: U200_G.13@157.2,21.025 157.2,23.375 158.275,24.45 R203_G.2@158.5,24.45
NetR204_A_2: R204_A.2 R205_A.1 U200_A.14 | length 5.2
  Top Layer w0.254: R205_A.1@34.8,24.25 36.3,24.25 R204_A.2@36.5,24.45 36.55,24.4 U200_A.14@36.55,21.025
NetR204_B_2: R204_B.2 R205_B.1 U200_B.14 | length 5.2
  Top Layer w0.254: R205_B.1@54.8,24.25 56.3,24.25 R204_B.2@56.5,24.45 56.55,24.4 U200_B.14@56.55,21.025
NetR204_C_2: R204_C.2 R205_C.1 U200_C.14 | length 5.2
  Top Layer w0.254: R205_C.1@74.8,24.25 76.3,24.25 R204_C.2@76.5,24.45 76.55,24.4 U200_C.14@76.55,21.025
NetR204_D_2: R204_D.2 R205_D.1 U200_D.14 | length 5.2
  Top Layer w0.254: R205_D.1@94.8,24.25 96.3,24.25 R204_D.2@96.5,24.45 96.55,24.4 U200_D.14@96.55,21.025
NetR204_E_2: R204_E.2 R205_E.1 U200_E.14 | length 5.2
  Top Layer w0.254: R205_E.1@114.8,24.25 116.3,24.25 R204_E.2@116.5,24.45 116.55,24.4 U200_E.14@116.55,21.025
NetR204_F_2: R204_F.2 R205_F.1 U200_F.14 | length 5.2
  Top Layer w0.254: R205_F.1@134.8,24.25 136.3,24.25 R204_F.2@136.5,24.45 136.55,24.4 U200_F.14@136.55,21.025
NetR204_G_2: R204_G.2 R205_G.1 U200_G.14 | length 5.2
  Top Layer w0.254: R205_G.1@154.8,24.25 156.3,24.25 R204_G.2@156.5,24.45 156.55,24.4 U200_G.14@156.55,21.025
NetR300_1: R300.1 U300.22 | length 15.5
  Top Layer w0.254: U300.22@148.4,43.95 148.4,42.288 146.25,40.138 146.25,33.25 R300.1@149,30.5
NetR600_1: R600.1 R601.2 U600.3 | length 5.4
  Top Layer w0.254: R600.1@29.85,38.5 29.85,38.6 30.827,39.577 30.827,39.677 R601.2@31.15,40 33.5,40 34.05,40.55 U600.3@34.25,40.55
NetU300_21: U300.21 USR300.1 USR300.2 | length 77.3
  Top Layer w0.2: 114.689,50.985 115.2,50.474 115.2,50.226 115.485,49.941 115.485,48.884 115.512,48.857
  Top Layer w0.254: USR300.2@92.75,46.85 86.622,46.85 86.399,47.073 86.399,50.855 86.662,51.118 114.556,51.118 114.689,50.985 ; 115.512,48.857 115.512,48.738 116.25,48 v1(117,48) ; v1(147.5,42.573) 147.547,42.62 147.547,43.897 U300.21@147.6,43.95
  Bottom Layer w0.254: v1(117,48) 117.022,48 117.272,47.75 139.75,47.75 145,42.5 146.18,42.5 146.253,42.573 v1(147.5,42.573)
SCL: DISP800.3 R301.1 U300.20 U301.14 U400_X.10 U400_Y.10 | length 152.6
  Top Layer w0.254: v1(80,40.5) 80.404,40.5 81,39.904 U400_X.10@81,39.151 ; v1(95.5,41.673) 95.567,41.673 95.74,41.5 97.328,41.5 97.477,41.351 97.477,40.674 U400_Y.10@97.482,40.669 ; U301.14@106.65,45.525 107.652,45.525 108.172,45.005 v1(108.204,45.005) ; R301.1@136.75,35 v1(137.5,35) 137.531,34.969 137.531,32.43 139.089,30.872 143.033,30.872 145.619,33.458 145.619,40.149 146.8,41.33 U300.20@146.8,43.95
  Bottom Layer w0.254: DISP800.3@40,57 43.25,53.75 43.75,53.75 57,40.5 v1(80,40.5) 94.327,40.5 95.547,41.72 95.547,41.984 98.568,45.005 108.25,45.005 113.713,39.542 131.895,39.542 132.361,40.008 137.758,40.008 139.681,41.931 141.069,41.931 141.504,41.496 141.504,39.303 137.886,35.685 137.886,35.453 137.5,35.067 v1(137.5,35)
SDA: DISP800.4 R302.1 U300.19 U301.15 U400_X.9 U400_Y.9 | length 160
  Top Layer w0.254: v1(80.5,41.504) 81.482,40.522 81.482,39.169 U400_X.9@81.5,39.151 ; v1(94.25,41.75) 94.75,42.25 97.392,42.25 97.982,41.66 97.982,40.669 U400_Y.9@98,40.651 ; U301.15@106.65,44.875 107.518,44.875 107.965,44.428 108.494,44.428 108.912,44.845 108.912,45.217 108.566,45.563 v1(108.566,45.63) ; R302.1@136.75,36.5 v1(137.5,36.5) 137.5,35.919 138.077,35.342 138.077,33.173 139.924,31.326 142.845,31.326 145.165,33.646 145.165,40.557 146,41.392 U300.19@146,43.95
  Bottom Layer w0.254: DISP800.4@42.57,57.214 42.57,56.93 55.25,44.25 77.754,44.25 v1(80.5,41.504) 94.004,41.504 v1(94.25,41.75) 98.25,45.75 108.25,45.75 108.323,45.677 108.518,45.677 v1(108.566,45.63) ; v1@108.544,45.677 108.755,45.677 108.806,45.728 110.154,44.38 114.538,39.996 131.707,39.996 132.211,40.5 137.5,40.5 139.385,42.385 141.654,42.385 142.381,41.658 142.381,39.065 137.739,34.423 137.261,34.423 136.5,35.184 136.5,35.905 137.095,36.5 v1(137.5,36.5)
USBDN: D500.1 J500.A7 J500.B7 U300.26 | length 33.5
  Top Layer w0.254: U300.26@151.1,45.65 155.1,45.65 158.906,41.844 160.627,41.844 160.775,41.696 160.775,39.775 v1(160.75,39.75) 160.772,39.75 161.022,39.5 163.5,39.5 167.271,43.271 J500.B7@169,43.271 ; v1(164.25,42) 164.297,42.047 164.547,42.047 166.698,44.198 167.056,44.198 167.129,44.271 J500.A7@169,44.271
  Bottom Layer w0.254: v1(160.75,39.75) 162.25,39.75 164.203,41.703 164.203,41.953 v1(164.25,42)
USBDP: D500.3 J500.A6 J500.B6 U300.27 | length 25.5
  Top Layer w0.254: U300.27@151.1,46.45 155.762,46.45 159.712,42.5 162.259,42.5 162.5,42.259 162.5,42.25 162.574,42.176 162.574,41.498 D500.3@162.7,41.371 164.729,41.371 167.083,43.725 167.225,43.725 167.271,43.771 J500.A6@169,43.771 170.373,43.771 170.75,44.149 170.75,44.5 170.479,44.771 J500.B6@169,44.771
VBUS: D500.5 D600.A J500.A4_B9 J500.B4_A9 | length 132
  Top Layer w0.254: v1(160.25,46.875) 160.317,46.875 160.44,46.752 161.248,46.752 161.579,46.421 ; D500.5@161.75,43.671 161.579,43.843 161.579,46.421 ; J500.A4_B9@169,41.621 169.173,41.794 169.592,41.794 169.705,41.794 169.911,42 171.5,42 172,42.5 172,45.25 171.25,46 169.954,46 169.705,46.248 169.592,46.248 169.173,46.248 J500.B4_A9@169,46.421 161.579,46.421
  Top Layer w0.635: v1(57,46.25) 57,46 57.25,45.75 D600.A@58.62,45.75
  Bottom Layer w0.635: v1(57,46.25) 57,46.004 57.754,45.25 88.826,45.25 90.375,46.798 123.544,46.798 125.092,45.25 140.728,45.25 144.173,41.805 148.805,41.805 152.546,45.546 158.92,45.546 v1(160.25,46.875)
VIN: C200_A.2 C200_B.2 C200_C.2 C200_D.2 C200_E.2 C200_F.2 C200_G.2 C600.2 C602.2 C700.2 J700.2 J700.4 J701.1 J702.6 J702.7 J702.9 J702.10 R100.2 U200_A.8 U200_A.9 U200_A.10 U200_B.8 U200_B.9 U200_B.10 U200_C.8 U200_C.9 U200_C.10 U200_D.8 U200_D.9 U200_D.10 U200_E.8 U200_E.9 U200_E.10 U200_F.8 U200_F.9 U200_F.10 U200_G.8 U200_G.9 U200_G.10 U600.4 U600.5 | length 44.1
  Top Layer w0.254: v1(106.351,29.986) 106.284,29.986 106.053,30.217 106,30.217 106,30.85 107.727,32.577 107.727,32.677 107.9,32.85 R100.2@108,32.85
  Top Layer w0.635: J700.4@8.5,33.6 19.34,33.6 19.558,33.817 27.817,33.817 31.4,37.4 C602.2@34,37.4 34.087,37.313 36.913,37.313 C600.2@37,37.227 U600.4@37,40.55 37,41
  Top Layer w1.27: J700.4@8.5,34 8.535,33.965 10.855,33.965 J700.2@11.22,33.6
  Bottom Layer w0.254: v1(105,27.25) 106,28.25 106,29.135 106.304,29.438 106.304,29.938 v1(106.351,29.986)
  other v1: 15,10 16,10 17,10 18,10 19,10 20,10 21,10 22,10 23,10 24,10 15,11 20,11 21,11 22,11 23,11 24,11 15,12 20,12 21,12 22,12 23,12 24,12 15,13 20,13 21,13 22,13 23,13 24,13 15,14 20,14 21,14 22,14 23,14 24,14 15,15 20,15 21,15 22,15 23,15 24,15 40.5,22.75 60.5,22.75 80.5,22.75 100.5,22.75 120.5,22.75 140.5,22.75 160.5,22.75 42,23 62,23 43,23.25 44,23.25 63,23.25 64,23.25 65,23.25 81.75,23.25 83,23.25 84,23.25 85,23.25 101.75,23.25 103,23.25 104,23.25 105,23.25 121.75,23.25 141.75,23.25 143,23.25 144,23.25 145,23.25 161.75,23.25 163,23.25 164,23.25 165,23.25 44.894,23.356 123,23.5 124,23.5 125,23.5 43,24.25 44,24.25 45,24.25 63,24.25 64,24.25 65,24.25 83,24.25 84,24.25 85,24.25 103,24.25 104,24.25 105,24.25 143,24.25 144,24.25 145,24.25 163,24.25 164,24.25 165,24.25 123,24.5 124,24.5 125,24.5 43,25.25 44,25.25 45,25.25 63,25.25 64,25.25 65,25.25 83,25.25 84,25.25 85,25.25 103,25.25 104,25.25 105,25.25 143,25.25 144,25.25 145,25.25 163,25.25 164,25.25 165,25.25 123,25.5 124,25.5 125,25.5 43,26.25 44,26.25 45,26.25 63,26.25 64,26.25 65,26.25 83,26.25 84,26.25 85,26.25 103,26.25 104,26.25 105,26.25 143,26.25 144,26.25 145,26.25 163,26.25 164,26.25 165,26.25 123,26.5 124,26.5 125,26.5 43,27.25 44,27.25 45,27.25 63,27.25 64,27.25 65,27.25 83,27.25 84,27.25 85,27.25 103,27.25 104,27.25 143,27.25 144,27.25 145,27.25 163,27.25 164,27.25 165,27.25 123,27.5 124,27.5 125,27.5
VO_A: C201_A.1 J200_A.1 U200_A.5 U200_A.6 U200_A.7
VO_B: C201_B.1 J200_B.1 U200_B.5 U200_B.6 U200_B.7
VO_C: C201_C.1 J200_C.1 U200_C.5 U200_C.6 U200_C.7
VO_D: C201_D.1 J200_D.1 U200_D.5 U200_D.6 U200_D.7
VO_E: C201_E.1 J200_E.1 U200_E.5 U200_E.6 U200_E.7
VO_F: C201_F.1 J200_F.1 U200_F.5 U200_F.6 U200_F.7
VO_G: C201_G.1 J200_G.1 U200_G.5 U200_G.6 U200_G.7
VTAP: C100.1 R100.1 R101.2 U400_Y.7 | length 12.7
  Top Layer w0.254: U400_Y.7@99,40.651 99,39 99.5,38.5 99.75,38.5 103,35.25 C100.1@103,35.227 105.923,35.227 R101.2@106,35.15 106.05,35.15 107.05,34.15 R100.1@108,34.15
pads on no net: D500.4 D500.6 DISP800. J300.1 J500. J500.A8 J500.B8 J700. J700.SHLD J702. U200_A.1 U200_A.4 U200_A.11 U200_B.1 U200_B.4 U200_B.11 U200_C.1 U200_C.4 U200_C.11 U200_D.1 U200_D.4 U200_D.11 U200_E.1 U200_E.4 U200_E.11 U200_F.1 U200_F.4 U200_F.11 U200_G.1 U200_G.4 U200_G.11 U300.4 U300.7 U300.9 U300.10 U300.15 U300.16 U300.17 U300.24 U300.25 U300.28 U300.29 U300.30 U300.31 U300.32 U300.33 U300.34 U300.35 U301.13 U400_X.2 U400_Y.2

## Polygon pours and split planes (outlines as drawn)
5V on Top Layer "5V_L01_P052" (solid, remove dead copper, pour order 52): 78,42 78,34 75,31 53,31 53,39 63,39 66,42 68,42
GND on Top Layer "GND_L01_P051" (solid, pour order 51): 77,45.5 81.444,49.944 86,49.944 86,45.75 79.25,45.75 77.5,44 77,44
GND on Top Layer "GND_L01_P050" (solid, pour order 50): 165.25,28 174,28 174,1 165.25,1
GND on Top Layer "GND_L01_P049" (solid, pour order 49): 138.25,54 138.25,42.25 124.25,42.25 124.25,54
GND on Top Layer "GND_L01_P048" (solid, pour order 48): 32,45.5 63,45.5 63,59 32,59
3V3 on Top Layer "3V3_L01_P047" (solid, pour order 47): 63,59 106,59 106,50 81.5,50 77,45.5 77,44 76,43 63,43
VIN on Top Layer "VIN_L01_P041" (solid, remove dead copper, pour order 41): 12.5,24.25 8,24.25 8,15 12.5,15
VIN on Top Layer "VIN_L01_P011" (solid, pour order 11): 8,16 25,16 25,9 8,9
GND on Top Layer "GND_L01_P045" (solid, pour order 45): -4,22 8,22 8,11 9.75,9.25 165.5,9.25 165.5,2.5 164,1 -2,1 -4,3
GND on Top Layer "GND_L01_P044" (solid, remove dead copper, pour order 44): 1,59 34,59 38.5,54.5 38.5,26.25 175,26.25 175,11 1,11
GND on Top Layer "GND_L01_P020" (solid, pour order 20): 165.5,20.25 165.5,15.75 161.5,15.75 161,16.25 154.5,16.25 154.5,20.25
VO_G on Top Layer "VO_G_L01_P029" (solid, pour order 29): 158.611,16.248 158.613,16.25 165.5,16.25 165.5,9.25 155.5,9.25 155.5,12.25 156,12.75 158,12.75 158,16.22 158.066,16.286 159.024,16.286
VIN on Top Layer "VIN_L01_P043" (solid, pour order 43): 158.75,20 165.5,20 165.5,28 162.5,28 162.5,24.25 161.25,24.25 159.5,22.5 158.75,22.5
GND on Top Layer "GND_L01_P019" (solid, pour order 19): 125.5,20.25 125.5,15.75 121.5,15.75 121,16.25 114.5,16.25 114.5,20.25
VO_E on Top Layer "VO_E_L01_P028" (solid, pour order 28): 118.611,16.248 118.613,16.25 125.5,16.25 125.5,9.25 115.5,9.25 115.5,12.25 116,12.75 118,12.75 118,16.22 118.066,16.286 119.024,16.286
VIN on Top Layer "VIN_L01_P037" (solid, pour order 37): 118.75,20 125.5,20 125.5,28.25 122.5,28.25 122.5,24.25 121.25,24.25 119.5,22.5 118.75,22.5
GND on Top Layer "GND_L01_P018" (solid, pour order 18): 145.5,20.25 145.5,15.75 141.5,15.75 141,16.25 134.5,16.25 134.5,20.25
VO_F on Top Layer "VO_F_L01_P027" (solid, pour order 27): 138.611,16.248 138.613,16.25 145.5,16.25 145.5,9.25 135.5,9.25 135.5,12.25 136,12.75 138,12.75 138,16.22 138.066,16.286 139.024,16.286
VIN on Top Layer "VIN_L01_P036" (solid, pour order 36): 138.75,20 145.5,20 145.5,28 142.5,28 142.5,24.25 141.25,24.25 139.5,22.5 138.75,22.5
GND on Top Layer "GND_L01_P017" (solid, pour order 17): 105.5,20.25 105.5,15.75 101.5,15.75 101,16.25 94.5,16.25 94.5,20.25
VO_D on Top Layer "VO_D_L01_P026" (solid, pour order 26): 98.611,16.248 98.613,16.25 105.5,16.25 105.5,9.25 95.5,9.25 95.5,12.25 96,12.75 98,12.75 98,16.22 98.066,16.286 99.024,16.286
VIN on Top Layer "VIN_L01_P035" (solid, pour order 35): 98.75,20 105.5,20 105.5,28 102.5,28 102.5,24.25 101.25,24.25 99.5,22.5 98.75,22.5
GND on Top Layer "GND_L01_P016" (solid, pour order 16): 85.5,20.25 85.5,15.75 81.5,15.75 81,16.25 74.5,16.25 74.5,20.25
VO_C on Top Layer "VO_C_L01_P025" (solid, pour order 25): 78.611,16.248 78.613,16.25 85.5,16.25 85.5,9.25 75.5,9.25 75.5,12.25 76,12.75 78,12.75 78,16.22 78.066,16.286 79.024,16.286
VIN on Top Layer "VIN_L01_P034" (solid, pour order 34): 78.75,20 85.5,20 85.5,28 82.5,28 82.5,24.25 81.25,24.25 79.5,22.5 78.75,22.5
GND on Top Layer "GND_L01_P015" (solid, pour order 15): 65.5,20.25 65.5,15.75 61.5,15.75 61,16.25 54.5,16.25 54.5,20.25
VO_B on Top Layer "VO_B_L01_P024" (solid, pour order 24): 58.611,16.248 58.613,16.25 65.5,16.25 65.5,9.25 55.5,9.25 55.5,12.25 56,12.75 58,12.75 58,16.22 58.066,16.286 59.024,16.286
VIN on Top Layer "VIN_L01_P033" (solid, pour order 33): 58.75,20 65.5,20 65.5,28 62.5,28 62.5,24.25 61.25,24.25 59.5,22.5 58.75,22.5
GND on Top Layer "GND_L01_P014" (solid, pour order 14): 85.5,20.25 85.5,15.75 81.5,15.75 81,16.25 74.5,16.25 74.5,20.25
VO_C on Top Layer "VO_C_L01_P023" (solid, pour order 23): 78.611,16.248 78.613,16.25 85.5,16.25 85.5,9.25 75.5,9.25 75.5,12.25 76,12.75 78,12.75 78,16.22 78.066,16.286 79.024,16.286
VIN on Top Layer "VIN_L01_P032" (solid, pour order 32): 78.75,20 85.5,20 85.5,28 82.5,28 82.5,24.25 81.25,24.25 79.5,22.5 78.75,22.5
GND on Top Layer "GND_L01_P013" (solid, pour order 13): 65.5,20.25 65.5,15.75 61.5,15.75 61,16.25 54.5,16.25 54.5,20.25
VO_B on Top Layer "VO_B_L01_P022" (solid, pour order 22): 58.611,16.248 58.613,16.25 65.5,16.25 65.5,9.25 55.5,9.25 55.5,12.25 56,12.75 58,12.75 58,16.22 58.066,16.286 59.024,16.286
VIN on Top Layer "VIN_L01_P031" (solid, pour order 31): 58.75,20 65.5,20 65.5,28 62.5,28 62.5,24.25 61.25,24.25 59.5,22.5 58.75,22.5
VIN on Top Layer "VIN_L01_P030" (solid, pour order 30): 38.75,20 45.5,20 45.5,28 42.5,28 42.5,24.25 41.25,24.25 39.5,22.5 38.75,22.5
VO_A on Top Layer "VO_A_L01_P021" (solid, pour order 21): 38.611,16.248 38.613,16.25 45.5,16.25 45.5,9.25 35.5,9.25 35.5,12.25 36,12.75 38,12.75 38,16.22 38.066,16.286 39.024,16.286
GND on Top Layer "GND_L01_P012" (solid, pour order 12): 45.5,20.25 45.5,15.75 41.5,15.75 41,16.25 34.5,16.25 34.5,20.25
GND on Int1 (GND) "GND_L02_P038" (solid, pour order 38): 1,59 118,59 118,54 175,54 175,1 1,1
GND on Bottom Layer "GND_L04_P046" (solid, pour order 46): 25,1 25,20.5 174,20.5 174,1
VIN on Bottom Layer "VIN_L04_P040" (solid, pour order 40): 0,21 0,1 24,1 24,21
VIN on Bottom Layer "VIN_L04_P039" (solid, pour order 39): -3,59 -3,21 169,21 169,31.5 15,31.5 15,59
3V3 on Int2 (PWR) "3V3_L03_P042" (solid, pour order 42): 47,59 47,29 25,29 25,3 169,3 169,54 118,54 118,59

## Other copper
Top Layer:
  text "PCB REV B2" at 6.004,57.754 h0.6

## Silkscreen, mask and mechanical layers (free items; w line width, h text height)
Top Overlay:
  drawing of 56 lines, arcs and shapes, not listed
  text "DCBuddy v2" at 86,55.206 h4
  text "blueAcro.com" at 93.25,53.269 h2
  text "TERM" at 122.25,28.5 h2
  text "(c) 2024 StackFoundry LLC" at 173.4,8.9 h0.6 r90
Mechanical 1:
  the board outline again, w0.254

## Text inside footprints (layer, text, board x,y; h text height)
SP300: Top Overlay "+" at 170.636,30.066 h3.05